# KiCad board pcb.kicad_pcb (continued)
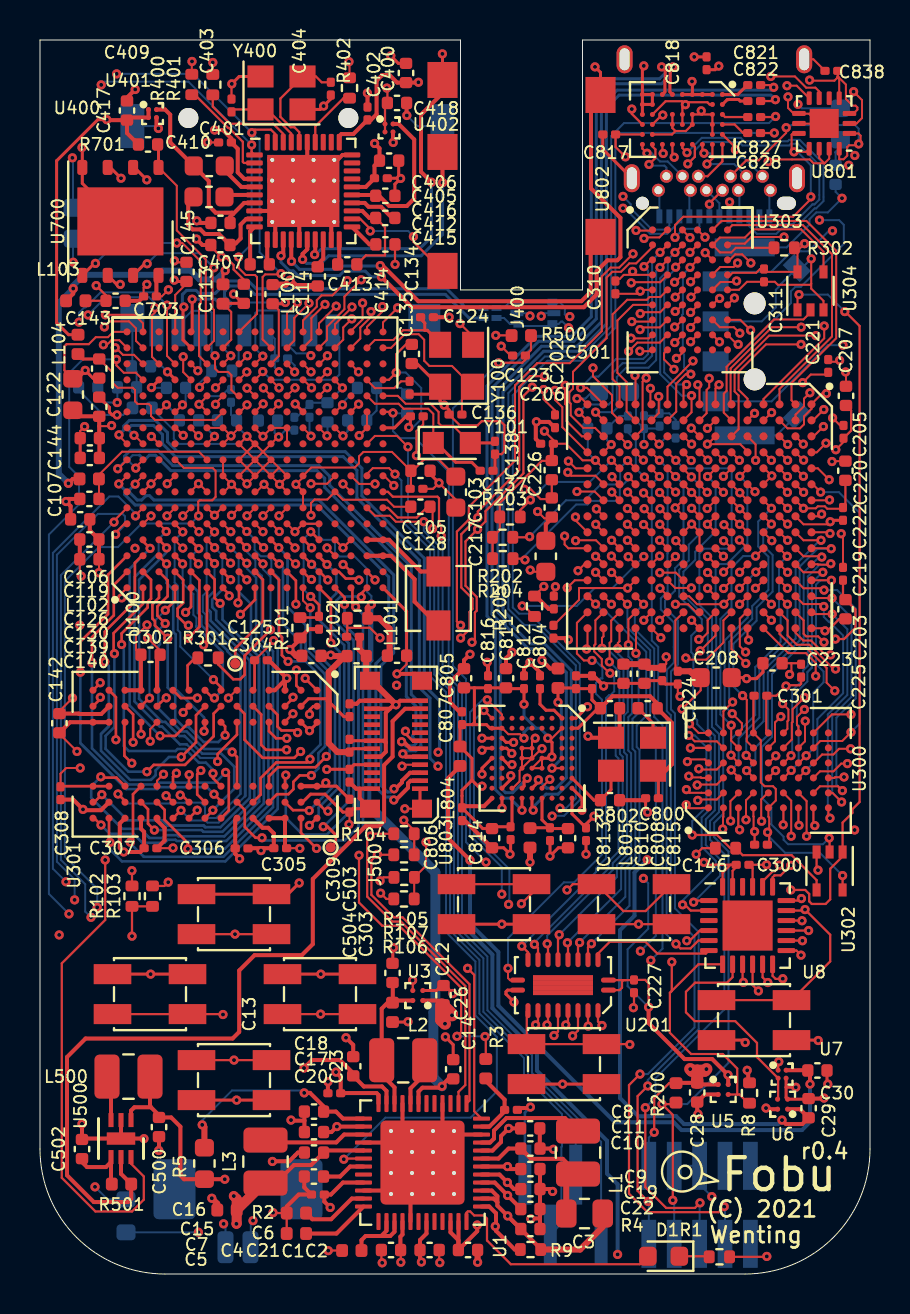
[diagram p0: board, top side]
## Footprints (pads in the part's own frame, mm; a bottom-side part is the same pattern mirrored in y, then rotated) (continued)
C_0201_0603Metric
  rrect 0.318x0.36 smd: (-0.345,0) (0.345,0)
  rrect 0.46x0.4 smd: 1(-0.32,0) 2(0.32,0)
C_0402_1005Metric
  rrect 0.59x0.64 smd: 1(-0.485,0) 2(0.485,0)
C_0603_1608Metric
  rrect 0.875x0.95 smd: 1(-0.787,0) 2(0.787,0)
Crystal_SMD_TXC_9HT11-2Pin_2.0x1.2mm_HandSoldering
  rect 1.05x1.1 smd: 1(-0.925,0) 2(0.925,0)
CSP-4_2x2_0.8x0.8mm
  round 0.25 smd: A1(-0.2,0.2) A2(0.2,0.2) B1(-0.2,-0.2) B2(0.2,-0.2)
CSP-4_2x2_1.0x1.0mm
  round 0.254 smd: A1(-0.25,0.25) A2(0.25,0.25) B1(-0.25,-0.25) B2(0.25,-0.25)
D_0603_1608Metric
  rrect 0.875x0.95 smd: 1(-0.787,0) 2(0.787,0)
DFN-6-1EP_2x2mm_P0.5mm_EP0.61x1.42mm
  rect 0.5x0.56 smd: (0,0.355) (0,-0.355)
  rect 0.7x0.25 smd: 1(-0.925,0.5) 2(-0.925,0) 3(-0.925,-0.5) 4(0.925,-0.5) 5(0.925,0) 6(0.925,0.5)
  rect 0.61x1.42 smd: 7(0,0)
DHVQFN-20_EP_4.5x2.5_Pitch0.5mm
  oval 0.75x0.25 smd: 1(-2.275,0.25) 10(2.275,0.25) 11(2.275,-0.25) 20(-2.275,-0.25)
  oval 0.25x0.75 smd: 2(-1.75,1.275) 3(-1.25,1.275) 4(-0.75,1.275) 5(-0.25,1.275) 6(0.25,1.275) 7(0.75,1.275) 8(1.25,1.275) 9(1.75,1.275) 12(1.75,-1.275) 13(1.25,-1.275) 14(0.75,-1.275) 15(0.25,-1.275) 16(-0.25,-1.275) 17(-0.75,-1.275) 18(-1.25,-1.275) 19(-1.75,-1.275)
  rect 0.75x0.25 smd: 21(-1.125,0.375) 21(-1.125,0.125) 21(-1.125,-0.125) 21(-1.125,-0.375) 21(-0.375,0.375) 21(-0.375,0.125) 21(-0.375,-0.125) 21(-0.375,-0.375) 21(0.375,0.375) 21(0.375,0.125) 21(0.375,-0.125) 21(0.375,-0.375) 21(1.125,0.375) 21(1.125,0.125) 21(1.125,-0.125) 21(1.125,-0.375)
HVQFN-24-1EP_4x4mm_P0.5mm_EP2.5x2.5mm
  rrect 1.01x1.01 smd: (-0.625,0.625) (-0.625,-0.625) (0.625,0.625) (0.625,-0.625)
  rrect 0.875x0.25 smd: 1(-1.938,1.25) 2(-1.938,0.75) 3(-1.938,0.25) 4(-1.938,-0.25) 5(-1.938,-0.75) 6(-1.938,-1.25) 13(1.938,-1.25) 14(1.938,-0.75) 15(1.938,-0.25) 16(1.938,0.25) 17(1.938,0.75) 18(1.938,1.25)
  rrect 0.25x0.875 smd: 7(-1.25,-1.938) 8(-0.75,-1.938) 9(-0.25,-1.938) 10(0.25,-1.938) 11(0.75,-1.938) 12(1.25,-1.938) 19(1.25,1.938) 20(0.75,1.938) 21(0.25,1.938) 22(-0.25,1.938) 23(-0.75,1.938) 24(-1.25,1.938)
  rect 2.5x2.5 smd: 25(0,0)
K1-1511SA-02
  round 1.1 hole 1.1 unplated: (-1.9,1) (1.9,1)
  rect 1x1.3 smd: 1(3,-0.95) 2(-3,-0.95) C(1,-0.95) T(-1,-0.95)
  rect 0.9x3 smd: MP(-4.7,0.5) MP(4.7,0.5)
  rect 1.2x0.8 smd rot 135: MP(-3.68,3.11)
  rect 1.2x0.8 smd rot 45: MP(3.67,3.11)
L_0402_1005Metric
  rrect 0.59x0.64 smd: 1(-0.485,0) 2(0.485,0)
L_0603_1608Metric
  rrect 0.875x0.95 smd: 1(-0.787,0) 2(0.787,0)
L_1008_2520Metric
  rrect 1.25x2.2 smd: 1(-1.075,0) 2(1.075,0)
L_CommonModeChoke_Panasonic_EXC14CE
  rrect 0.3x0.5 smd: 1(-0.25,0.325) 2(0.25,0.325) 3(0.25,-0.325) 4(-0.25,-0.325)
L_Vishay_IHLP-1212
  rect 1.5x1.2 smd: 1(-1.35,0) 2(1.35,0)
Molex_PicoBlade_53261-0271_1x02-1MP_P1.25mm_Horizontal
  rrect 0.8x1.6 smd: 1(-0.625,2.4) 2(0.625,2.4)
  rrect 2.1x3 smd: MP(-3.175,-0.5) MP(3.175,-0.5)
Oscillator_SMD_Abracon_ASE-4Pin_3.2x2.5mm
  rect 1.3x1.1 smd: 1(-1.05,-0.825) 2(1.05,-0.825) 3(1.05,0.825) 4(-1.05,0.825)
PinHeader_1x04_P1.27mm_Vertical_SMD_Pin1Left
  rect 3x0.65 smd: 1(-1.5,1.905) 2(1.5,0.635) 3(-1.5,-0.635) 4(1.5,-1.905)
PinHeader_2x05_P1.27mm_Vertical_SMD
  rect 2.4x0.74 smd: 1(-1.95,2.54) 2(1.95,2.54) 3(-1.95,1.27) 4(1.95,1.27) 5(-1.95,0) 6(1.95,0) 7(-1.95,-1.27) 8(1.95,-1.27) 9(-1.95,-2.54) 10(1.95,-2.54)
PJ-327E
  rect 1.8x1.5 smd: R(-0.7,-3.95) S(-4.3,-3.95) S(-3.55,3.95) T(3.55,3.95) TN(5.25,-3.95)
QFN-40-1EP_5x5mm_P0.4mm_EP3.6x3.6mm_ThermalVias
  custom 0.93x0.93 smd: (-1.033,1.033) (-1.033,0) (-1.033,-1.033) (0,1.033) (0,0) (0,-1.033) (1.033,1.033) (1.033,0) (1.033,-1.033)
  rrect 0.825x0.25 smd: 1(-2.438,1.8) 2(-2.438,1.4) 3(-2.438,1) 4(-2.438,0.6) 5(-2.438,0.2) 6(-2.438,-0.2) 7(-2.438,-0.6) 8(-2.438,-1) 9(-2.438,-1.4) 10(-2.438,-1.8) 21(2.438,-1.8) 22(2.438,-1.4) 23(2.438,-1) 24(2.438,-0.6) 25(2.438,-0.2) 26(2.438,0.2) 27(2.438,0.6) 28(2.438,1) 29(2.438,1.4) 30(2.438,1.8)
  rrect 0.25x0.825 smd: 11(-1.8,-2.438) 12(-1.4,-2.438) 13(-1,-2.438) 14(-0.6,-2.438) 15(-0.2,-2.438) 16(0.2,-2.438) 17(0.6,-2.438) 18(1,-2.438) 19(1.4,-2.438) 20(1.8,-2.438) 31(1.8,2.438) 32(1.4,2.438) 33(1,2.438) 34(0.6,2.438) 35(0.2,2.438) 36(-0.2,2.438) 37(-0.6,2.438) 38(-1,2.438) 39(-1.4,2.438) 40(-1.8,2.438)
  round 0.5 hole 0.2: 41(-1.55,1.55) 41(-1.55,0.517) 41(-1.55,-0.517) 41(-1.55,-1.55) 41(-0.517,1.55) 41(-0.517,0.517) 41(-0.517,-0.517) 41(-0.517,-1.55) 41(0.517,1.55) 41(0.517,0.517) 41(0.517,-0.517) 41(0.517,-1.55) 41(1.55,1.55) 41(1.55,0.517) 41(1.55,-0.517) 41(1.55,-1.55)
  rect 3.6x3.6 smd: 41(0,0)
  rect 3.6x3.6 smd far side: 41(0,0)
QFN-48-1EP_6x6mm_P0.4mm_EP4.2x4.2mm_ThermalVias
  custom 0.423x0.423 smd: (-1.837,1.837) (-1.837,-1.837) (1.837,1.837) (1.837,-1.837)
  custom 0.423x0.847 smd: (-1.837,1.05) (-1.837,0) (-1.837,-1.05) (1.837,1.05) (1.837,0) (1.837,-1.05)
  custom 0.847x0.423 smd: (-1.05,1.837) (-1.05,-1.837) (0,1.837) (0,-1.837) (1.05,1.837) (1.05,-1.837)
  rrect 0.847x0.847 smd: (-1.05,1.05) (-1.05,0) (-1.05,-1.05) (0,1.05) (0,0) (0,-1.05) (1.05,1.05) (1.05,0) (1.05,-1.05)
  rrect 0.85x0.2 smd: 1(-2.95,2.2) 2(-2.95,1.8) 3(-2.95,1.4) 4(-2.95,1) 5(-2.95,0.6) 6(-2.95,0.2) 7(-2.95,-0.2) 8(-2.95,-0.6) 9(-2.95,-1) 10(-2.95,-1.4) 11(-2.95,-1.8) 12(-2.95,-2.2) 25(2.95,-2.2) 26(2.95,-1.8) 27(2.95,-1.4) 28(2.95,-1) 29(2.95,-0.6) 30(2.95,-0.2) 31(2.95,0.2) 32(2.95,0.6) 33(2.95,1) 34(2.95,1.4) 35(2.95,1.8) 36(2.95,2.2)
  rrect 0.2x0.85 smd: 13(-2.2,-2.95) 14(-1.8,-2.95) 15(-1.4,-2.95) 16(-1,-2.95) 17(-0.6,-2.95) 18(-0.2,-2.95) 19(0.2,-2.95) 20(0.6,-2.95) 21(1,-2.95) 22(1.4,-2.95) 23(1.8,-2.95) 24(2.2,-2.95) 37(2.2,2.95) 38(1.8,2.95) 39(1.4,2.95) 40(1,2.95) 41(0.6,2.95) 42(0.2,2.95) 43(-0.2,2.95) 44(-0.6,2.95) 45(-1,2.95) 46(-1.4,2.95) 47(-1.8,2.95) 48(-2.2,2.95)
  round 0.5 hole 0.2: 49(-1.575,1.575) 49(-1.575,0.525) 49(-1.575,-0.525) 49(-1.575,-1.575) 49(-0.525,1.575) 49(-0.525,0.525) 49(-0.525,-0.525) 49(-0.525,-1.575) 49(0.525,1.575) 49(0.525,0.525) 49(0.525,-0.525) 49(0.525,-1.575) 49(1.575,1.575) 49(1.575,0.525) 49(1.575,-0.525) 49(1.575,-1.575)
  rrect 3.65x3.65 smd far side: 49(0,0)
  rrect 4.2x4.2 smd: 49(0,0)
R_0402_1005Metric
  rrect 0.59x0.64 smd: 1(-0.485,0) 2(0.485,0)
R_0402_1005Metric#2
  rrect 0.54x0.64 smd: 1(-0.51,0) 2(0.51,0)
R_0603_1608Metric
  rrect 0.875x0.95 smd: 1(-0.787,0) 2(0.787,0)
R_0603_1608Metric#2
  rrect 0.8x0.95 smd: 1(-0.825,0) 2(0.825,0)
R_0805_2012Metric
  rrect 1.025x1.4 smd: 1(-0.912,0) 2(0.912,0)
SOT-353_SC-70-5
  rect 0.65x0.4 smd: 1(-0.95,0.65) 2(-0.95,0) 3(-0.95,-0.65) 4(0.95,-0.65) 5(0.95,0.65)
SOT-666
  rect 0.5x0.375 smd: 1(-0.85,0.537) 3(-0.85,-0.537) 4(0.85,-0.537) 6(0.85,0.537)
  rect 0.65x0.3 smd: 2(-0.925,0) 5(0.925,0)
SW_SPST_K21177SR
  rect 1.875x1 smd: 1(-1.875,1) 1(1.875,1) 2(-1.875,-1) 2(1.875,-1)
TestPoint_Pad_D0.5mm
  round 0.5 smd: 1(0,0)
TFC-WPAPR-08
  round 1 hole 1 unplated: (3.251,-4.953) (3.251,3.048)
  rect 1.598x0.699 smd: 1(-7.374,2.248) 2(-7.374,1.148) 3(-7.374,0.048) 4(-7.374,-1.049) 5(-7.374,-2.149) 6(-7.374,-3.249) 7(-7.374,-4.348) 8(-7.374,-5.448) 9(-7.374,-6.548)
  rect 1.4x1.199 smd: 10(-6.749,-7.75)
  rect 1.4x1.598 smd: 11(-6.749,6.848)
  rect 2.2x1.199 smd: 12(2.85,-7.75) 13(2.85,7.75)
USB_C_Receptacle_Amphenol_12401548E4-2A
  round 0.65 hole 0.65 unplated: (-3.6,4.36)
  oval 0.95x0.65 hole 0.95x0.65 unplated: (3.6,4.36)
  rect 0.3x0.7 smd: A1(-2.75,5.02) A2(-2.25,5.02) A3(-1.75,5.02) A4(-1.25,5.02) A5(-0.75,5.02) A6(-0.25,5.02) A7(0.25,5.02) A8(0.75,5.02) A9(1.25,5.02) A10(1.75,5.02) A11(2.25,5.02) A12(2.75,5.02)
  round 0.65 hole 0.4: B1(2.8,3.71) B2(2.4,3.01) B3(1.6,3.01) B4(1.2,3.71) B5(0.8,3.01) B6(0.4,3.71) B7(-0.4,3.71) B8(-0.8,3.01) B9(-1.2,3.71) B10(-1.6,3.01) B11(-2.4,3.01) B12(-2.8,3.71)
  oval 0.8x1.4 hole 0.5x1.1: S1(-4.49,-2.84) S1(-4.13,3.11) S1(4.13,3.11) S1(4.49,-2.84)
WQFN-14-1EP_2.5x2.5mm_P0.5mm_EP1.45x1.45mm
  rrect 0.58x0.58 smd: (-0.36,0.36) (-0.36,-0.36) (0.36,0.36) (0.36,-0.36)
  rrect 0.675x0.25 smd: 1(-1.262,0.5) 2(-1.262,0) 3(-1.262,-0.5) 8(1.262,-0.5) 9(1.262,0) 10(1.262,0.5)
  rrect 0.25x0.675 smd: 4(-0.75,-1.262) 5(-0.25,-1.262) 6(0.25,-1.262) 7(0.75,-1.262) 11(0.75,1.262) 12(0.25,1.262) 13(-0.25,1.262) 14(-0.75,1.262)
  rect 1.45x1.45 smd: 15(0,0)
WSON-8-1EP_6x5mm_P1.27mm_EP3.4x4.3mm
  rrect 1.37x1.73 smd: (-0.85,1.075) (-0.85,-1.075) (0.85,1.075) (0.85,-1.075)
  rrect 0.75x0.5 smd: 1(-2.7,1.905) 2(-2.7,0.635) 3(-2.7,-0.635) 4(-2.7,-1.905) 5(2.7,-1.905) 6(2.7,-0.635) 7(2.7,0.635) 8(2.7,1.905)
  rect 3.4x4.3 smd: 9(0,0)

## Nets
+1V0_FPGA: C26.2 C209.2 C210.2 C211.2 C212.2 C213.2 C214.2 C215.2 C216.2 C217.2 U3.A1 U200.E8 U200.E10 U200.F7 U200.G6 U200.G10 U200.H7 U200.J6 U200.J10 U200.K7 U200.K9
+1V0A: C116.1 C127.1 U100.F10 U100.N11
+1V2_DP: C30.2 L804.1 U7.A2
+1V8: C15.2 C16.2 C125.1 C128.1 C130.1 C131.1 C139.1 C140.1 C141.1 C142.1 C146.1 C227.1 C302.1 C303.1 C304.1 C305.1 C306.1 C307.1 C308.1 C309.1 C503.1 J500.b6 L3.2 R102.1 R103.1 U1.17 U5.A2 U6.A2 U7.A1 U8.21 U100.D14 U100.E7 U100.F6 U100.F7 U100.G6 U100.H6 U100.J6 U100.M12 U100.P7 U201.1 U201.20 U301.A7 U301.B2 U301.B7 U301.C9 U301.D9 U301.E1 U301.F9 U301.L1 U301.L7 U301.M9 U301.N9 U301.P2 U301.P7 U301.R7
+1V8_DP: C29.2 L803.1 L805.1 R106.1 R107.1 U6.A1
+1V8_FPGA: C28.2 C200.2 C201.2 C202.2 C203.2 C204.2 C205.2 C206.2 C207.2 C208.2 C218.2 C219.2 C220.2 C221.2 C222.2 C223.2 C224.2 C225.2 C226.2 J200.1 R200.1 R202.1 R203.1 R204.1 U5.A1 U200.B7 U200.C3 U200.C11 U200.E6 U200.F9 U200.F12 U200.G2 U200.J14 U200.L3 U200.L6 U200.L8 U200.M12 U200.P5 U200.P9
+1V8A: C103.1 C104.1 C105.1 C400.1 C401.1 C402.1 L100.1 L102.2 L103.2 U100.M6 U100.M7 U100.M8 U400.4 U400.31
+3.3VA: C23.2 C405.1 C406.1 U1.11 U400.26
+3V3: C20.2 C109.1 C129.1 C132.1 C417.1 C418.1 C504.1 C701.1 C702.1 C703.2 C817.1 C818.1 C838.1 CARD700.4 J500.b4 L104.2 R104.1 R105.1 R701.1 U1.12 U100.D12 U100.G13 U100.J13 U100.R12 U401.A1 U401.B1 U402.A1 U402.B1 U700.8 U801.3 U801.4 U801.12 U801.13 U802.B2 U802.E3 U802.E4 U802.H3 U802.J5
/mcu/VDD_SOC: C106.1 C107.1 C108.1 C117.1 C118.1 C119.1 C120.1 C121.1 C122.1 U100.H8 U100.H9 U100.H10 U100.J8 U100.J9 U100.J10 U100.K8 U100.K9 U100.K10 U100.L7 U100.L8
/power/VINT: C4.1 U1.26 U1.27
GND: BT1.1 C1.2 C2.2 C3.2 C4.2 C5.2 C6.2 C7.2 C8.2 C9.1 C10.1 C11.1 C12.1 C13.1 C14.1 C15.1 C16.1 C17.1 C18.1 C19.1 C20.1 C21.1 C22.1 C23.1 C26.1 C28.1 C29.1 C30.1 C100.2 C101.2 C102.2 C103.2 C104.2 C105.2 C106.2 C107.2 C108.2 C109.2 C110.2 C111.2 C113.2 C114.2 C115.2 C116.2 C117.2 C118.2 C119.2 C120.2 C121.2 C122.2 C123.2 C124.2 C125.2 C126.2 C127.2 C128.2 C129.2 C130.2 C131.2 C132.2 C133.2 C134.2 C135.2 C136.2 C137.1 C138.1 C139.2 C140.2 C141.2 C142.2 C143.2 C144.2 C145.2 C146.2 C200.1 C201.1 C202.1 C203.1 C204.1 C205.1 C206.1 C207.1 C208.1 C209.1 C210.1 C211.1 C212.1 C213.1 C214.1 C215.1 C216.1 C217.1 C218.1 C219.1 C220.1 C221.1 C222.1 C223.1 C224.1 C225.1 C226.1 C227.2 C300.2 C301.2 C302.2 C303.2 C304.2 C305.2 C306.2 C307.2 C308.2 C309.2 C310.2 C311.2 C400.2 C401.2 C402.2 C403.2 C404.2 C405.2 C406.2 C407.2 C408.2 C414.2 C415.2 C416.2 C417.2 C418.2 C500.2 C501.2 C502.2 C503.2 C504.2 C701.2 C702.2 C703.1 C800.1 C801.2 C802.2 C803.2 C804.1 C805.2 C806.2 C807.2 C808.2 C810.2 C811.2 C812.2 C813.2 C814.2 C815.2 C816.2 C817.2 C818.2 C837.2 C838.2 CARD700.6 CARD700.10 CARD700.11 CARD700.12 CARD700.13 J101.4 J200.3 J200.5 J400.S J500.a1 J500.a4 J500.a7 J500.a12 J500.b1 J500.b5 J500.b7 J500.b11 J500.b12 J500.MP J800.A1 J800.A12 J800.B1 J800.B12 J800.S1 R1.2 R2.2 R8.1 R101.2 R205.1 R802.2 SW600.C SW600.MP SW_A1.2 SW_B1.2 SW_DOWN1.2 SW_LEFT1.2 SW_RIGHT1.2 SW_SELECT1.2 SW_START1.2 SW_UP1.2 TH1.2 U1.4 U1.9 U1.16 U1.22 U1.29 U1.46 U1.49 U3.B1 U5.B1 U6.B1 U7.B2 U8.9 U8.18 U8.23 U8.24 U100.A1 U100.A17 U100.B7 U100.C8 U100.C10 U100.C12 U100.C14 U100.D4 U100.F11 U100.F12 U100.F13 U100.G3 U100.G7 U100.G8 U100.G9 U100.G10 U100.G11 U100.G15 U100.H7 U100.H11 U100.J7 U100.J11 U100.K6 U100.K7 U100.K11 U100.L3 U100.L6 U100.L10 U100.L11 U100.L15 U100.P4 U100.P14 U100.R4 U100.R7 U100.T11 U100.T12 U100.U1 U100.U6 U100.U17 U200.A1 U200.A15 U200.B8 U200.C2 U200.C12 U200.D5 U200.D6 U200.D14 U200.E4 U200.E7 U200.E9 U200.F6 U200.F8 U200.F10 U200.F13 U200.G3 U200.G7 U200.G8 U200.G9 U200.H5 U200.H6 U200.H8 U200.H9 U200.H10 U200.J7 U200.J8 U200.J9 U200.J13 U200.K6 U200.K8 U200.K10 U200.L2 U200.L7 U200.L9 U200.M11 U200.P4 U200.P8 U200.P13 U200.R1 U200.R15 U201.10 U300.D1 U300.E6 U301.A3 U301.B3 U301.B8 U301.C1 U301.D1 U301.E9 U301.F1 U301.L3 U301.L9 U301.M1 U301.N1 U301.P3 U301.P8 U301.R3 U302.3 U303.D1 U303.E6 U304.3 U400.8 U400.12 U400.13 U400.15 U400.17 U400.19 U400.30 U400.35 U400.41 U401.B2 U402.B2 U500.2 U500.7 U700.4 U700.9 U800.2 U801.8 U801.9 U801.15 U802.B1 U802.B3 U802.B4 U802.B5 U802.C1 U802.D1 U802.D3 U802.D4 U802.E1 U802.F3 U802.F4 U802.H1 U802.H2 U802.H5 U802.J1 U802.J2 U802.J3 U803.A1 U803.A8 U803.D8 U803.E4 U803.E5 U803.F4 U803.F5 U803.F6 U803.G8 X800.2 Y100.2 Y100.4 Y400.2 Y400.4
VBUS: C1.1 C837.1 L802.1 U1.31
VBUS_IN: C145.1 J800.A4 J800.A9 J800.B4 J800.B9 L802.2 U100.D17 U800.5 U801.2
+BATT: BT1.2 C3.1 C9.2 R4.2 R9.2 U1.38 U1.39 U1.42
+RAM: C19.2 C300.1 C301.1 C310.1 C311.1 R300.1 R302.1 U1.41 U300.D6 U300.E1 U302.5 U303.D6 U303.E1 U304.5
+RTC: C21.2 C133.1 U1.28 U100.U12
/fpga/FPGA_TCK: J200.4 R200.2 U200.E5
/fpga/FPGA_TDI: J200.8 U200.L4
/fpga/FPGA_TDO: J200.6 U200.K4
/fpga/FPGA_TMS: J200.2 U200.K5
/fpga/K_A: U200.P14 U201.12
/fpga/K_B: U200.R14 U201.11
/fpga/K_DOWN: U200.R13 U201.18
/fpga/K_LEFT: U200.M15 U201.17
/fpga/K_RIGHT: U200.M14 U201.16
/fpga/K_SELECT: U200.N14 U201.13
/fpga/K_START: U200.P15 U201.14
/fpga/K_UP: U200.N15 U201.15
/lcd/LEDA: J500.a11 R501.2 U500.5
/mcu/JTAG_TCK: J101.2 U100.T6
/mcu/JTAG_TMS: J101.1 U100.U7
/mcu/RESET: J101.3 U100.T10
/power/TS: R9.1 TH1.1 U1.37
/usb/DP_AUXN: C828.1 U803.H9
/usb/DP_AUXP: C827.1 U803.H8
/usb/DP_N0: U802.G1 U803.F9
/usb/DP_N1: C822.1 U803.E9
/usb/DP_P0: U802.F1 U803.F8
/usb/DP_P1: C821.1 U803.E8
/usb/DP_VCC: C805.1 C806.1 C807.1 C811.1 C812.1 C813.1 C814.1 C815.1 C816.1 L804.2 U803.A9 U803.B2 U803.D5 U803.D6 U803.E6 U803.G9 U803.H2 U803.J2 U803.J9
/usb/DP_VCCIO: C800.2 C801.1 C802.1 C803.1 L803.2 R800.1 U803.A2 U803.B6 X800.4
/usb/DP_VPLL: C808.1 C810.1 L805.2 U803.D9
/usb/TYPEC_DN: J800.A7 J800.B7 L800.4 U800.3 U800.4
/usb/TYPEC_DP: J800.A6 J800.B6 L800.3 U800.1 U800.6
/usb/TYPEC_RX1N: J800.B10 U802.J6
/usb/TYPEC_RX1P: J800.B11 U802.H6
/usb/TYPEC_RX2N: J800.A10 U802.E6
/usb/TYPEC_RX2P: J800.A11 U802.D6
/usb/TYPEC_SBU1: J800.A8 U802.A5
/usb/TYPEC_SBU2: J800.B8 U802.A6
/usb/TYPEC_TX1N: J800.A3 U802.F6
/usb/TYPEC_TX1P: J800.A2 U802.G6
/usb/TYPEC_TX2N: J800.B3 U802.B6
/usb/TYPEC_TX2P: J800.B2 U802.C6
CCM_CLKO1: U100.K1
CODEC_RST: U400.28
CRAMA_A0: U200.E13 U300.A3
CRAMA_A1: U200.G12 U300.A4
CRAMA_A2: U200.G13 U300.A5
CRAMA_A3: U200.E12 U300.B3
CRAMA_A4: U200.F11 U300.B4
CRAMA_A5: U200.C13 U300.C3
CRAMA_A6: U200.C10 U300.C4
CRAMA_A7: U200.B9 U300.D4
CRAMA_A8: U200.B12 U300.H2
CRAMA_A9: U200.A8 U300.H3
CRAMA_A10: U200.A7 U300.H4
CRAMA_A11: U200.A6 U300.H5
CRAMA_A12: U200.B13 U300.G3
CRAMA_A13: U200.A12 U300.G4
CRAMA_A14: U200.B11 U300.F3
CRAMA_A15: U200.A11 U300.F4
CRAMA_A16: U200.D9 U300.E4
CRAMA_A17: U200.A10 U300.D3
CRAMA_A18: U200.C15 U300.H1
CRAMA_A19: U200.C14 U300.G2
CRAMA_A20: U200.A5 U300.H6
CRAMA_A21: U200.D13 U300.E3
CRAMA_ADVN: U200.A9 U300.J3
CRAMA_CEN: U200.B10 U302.2
CRAMA_CLK: U200.A13 U300.J2
CRAMA_CRE: U200.G11 U300.A6
CRAMA_DQ0: U200.D7 U300.B6
CRAMA_DQ1: U200.D10 U300.C5
CRAMA_DQ2: U200.D11 U300.C6
CRAMA_DQ3: U200.D8 U300.D5
CRAMA_DQ4: U200.C9 U300.E5
CRAMA_DQ5: U200.B6 U300.F5
CRAMA_DQ6: U200.C8 U300.F6
CRAMA_DQ7: U200.C6 U300.G6
CRAMA_DQ8: U200.F14 U300.B1
CRAMA_DQ9: U200.F15 U300.C1
CRAMA_DQ10: U200.G14 U300.C2
CRAMA_DQ11: U200.E14 U300.D2
CRAMA_DQ12: U200.E15 U300.E2
CRAMA_DQ13: U200.B14 U300.F2
CRAMA_DQ14: U200.D15 U300.F1
CRAMA_DQ15: U200.B15 U300.G1
CRAMA_LBN: U200.G15 U300.A1
CRAMA_OEN: U200.E11 U300.A2
CRAMA_UBN: U200.D12 U300.B2
CRAMA_WAIT: U200.A14 U300.J1
CRAMA_WEN: U200.C7 U300.G5
CRAMB_A0: U200.D1 U303.A3
CRAMB_A1: U200.E1 U303.A4
CRAMB_A2: U200.B1 U303.A5
CRAMB_A3: U200.J2 U303.B3
CRAMB_A4: U200.F1 U303.B4
CRAMB_A5: U200.J1 U303.C3
CRAMB_A6: U200.K2 U303.C4
CRAMB_A7: U200.G1 U303.D4
CRAMB_A8: U200.H3 U303.H2
CRAMB_A9: U200.F4 U303.H3
CRAMB_A10: U200.E3 U303.H4
CRAMB_A11: U200.E2 U303.H5
CRAMB_A12: U200.M3 U303.G3
CRAMB_A13: U200.L1 U303.G4
CRAMB_A14: U200.N3 U303.F3
CRAMB_A15: U200.M1 U303.F4
CRAMB_A16: U200.H1 U303.E4
CRAMB_A17: U200.H2 U303.D3
CRAMB_A18: U200.H4 U303.H1
CRAMB_A19: U200.J3 U303.G2
CRAMB_A20: U200.D2 U303.H6
CRAMB_A21: U200.K1 U303.E3
CRAMB_ADVN: U200.D4 U303.J3
CRAMB_CEN: U200.F2 U304.2
CRAMB_CLK: U200.C5 U303.J2
CRAMB_CRE: U200.C1 U303.A6
CRAMB_DQ0: U200.F3 U303.B6
CRAMB_DQ1: U200.A2 U303.C5
CRAMB_DQ2: U200.B2 U303.C6
CRAMB_DQ3: U200.A3 U303.D5
CRAMB_DQ4: U200.A4 U303.E5
CRAMB_DQ5: U200.B4 U303.F5
CRAMB_DQ6: U200.B3 U303.F6
CRAMB_DQ7: U200.B5 U303.G6
CRAMB_DQ8: U200.P3 U303.B1
CRAMB_DQ9: U200.P1 U303.C1
CRAMB_DQ10: U200.P2 U303.C2
CRAMB_DQ11: U200.N2 U303.D2
CRAMB_DQ12: U200.N1 U303.E2
CRAMB_DQ13: U200.M4 U303.F2
CRAMB_DQ14: U200.M2 U303.F1
CRAMB_DQ15: U200.J4 U303.G1
CRAMB_LBN: U200.R4 U303.A1
CRAMB_OEN: U200.R3 U303.A2
CRAMB_UBN: U200.R2 U303.B2
CRAMB_WAIT: U200.G4 U303.J1
CRAMB_WEN: U200.C4 U303.G5
CSI_D0: U100.L13 U200.P11
CSI_D1: U100.M15 U200.R9
CSI_D2: U100.J12 U200.R12
CSI_D3: U100.K12 U200.R11
CSI_D4: U100.K14 U200.P12
CSI_D5: U100.K13 U200.N12
CSI_D6: U100.L16 U200.M9
CSI_D7: U100.M16 U200.P7
CSI_D8: U100.N15 U200.M10
CSI_D9: U100.N17 U200.P6
CSI_D10: U100.P16 U200.M8
CSI_D11: U100.R17 U200.N7
CSI_D12: U100.R16 U200.M7
CSI_D13: U100.R15 U200.P10
CSI_D14: U100.T17 U200.N6
CSI_D15: U100.N13 U200.N11
CSI_HSYNC: U100.M14 U200.R10
CSI_PCLK: U100.P17 U200.R5
CSI_VSYNC: U100.N14 U200.N10
DP_PWR_EN: U6.B2 U7.B1 U8.8
EXTEN: U1.20
FPGA_DONE: U8.1 U200.G5
FPGA_INIT: U8.5 U200.L5
FPGA_KEY_EN: U8.6 U201.19
FPGA_PWR_EN: R8.2 U3.B2 U5.B2 U8.7
FPGA_RAM_EN: U8.4 U302.1 U304.1
FPGA_RST: U8.2 U200.J5
FSPI_1A_CS: R701.2 U100.F17 U700.1
FSPI_1A_D0: U100.F15 U700.5
FSPI_1A_D1: U100.H15 U700.2
FSPI_1A_D2: U100.H14 U700.3
FSPI_1A_D3: U100.F16 U700.7
FSPI_1A_SCK: U100.G14 U700.6
FSPI_2A_CS: U100.B16 U200.L11
FSPI_2A_D0: U100.C15 U200.H14
FSPI_2A_D1: U100.B17 U200.H15
FSPI_2A_D2: U100.B15 U200.J12
FSPI_2A_D3: U100.A16 U200.K13
FSPI_2A_SCK: U100.D15 U200.F5 U200.K12
I2C1_SCL: R102.2 U8.19 U100.K16 U400.39
I2C1_SDA: R103.2 U8.20 U100.H17 U400.1
I2C3_SCL: R104.2 U1.2 U100.D11 U801.6 U802.H4
I2C3_SDA: R105.2 U1.1 U100.E11 U801.7 U802.J4
I2C4_SCL: R107.2 U100.B6 U803.H1
I2C4_SDA: R106.2 U100.A5 U803.J1
IPSOUT: C2.1 C5.1 C11.2 C14.2 C17.2 C22.2 C100.1 C500.1 L500.1 R5.1 R100.1 U1.7 U1.14 U1.21 U1.34 U1.35 U1.40 U1.44 U100.L5 U100.M5 U100.N5 U500.1
KEY_A: SW_A1.1 U8.17 U201.8
KEY_B: SW_B1.1 U8.10 U201.9
KEY_CCW: SW600.1 U100.N16
KEY_CW: SW600.2 U100.M17
KEY_DOWN: SW_DOWN1.1 U8.11 U201.2
KEY_LEFT: SW_LEFT1.1 U8.12 U201.3
KEY_RIGHT: SW_RIGHT1.1 U8.13 U201.4
KEY_SELECT: SW_SELECT1.1 U8.16 U201.7
KEY_START: SW_START1.1 U8.15 U201.6
KEY_UP: SW_UP1.1 U8.14 U201.5
LCD_BL_PWM: R500.2 U100.L17
LCD_RST: J500.b8
MIPI_CKN: J500.a5 U100.A9 U803.J5
MIPI_CKP: J500.a6 U100.B9 U803.H5
MIPI_D0N: J500.a2 U100.A8 U803.J3
MIPI_D0P: J500.a3 U100.B8 U803.H3
MIPI_D1N: U100.A10 U803.J4
MIPI_D1P: U100.B10 U803.H4
PEK: R3.2 SW600.T
PMU_IRQ: U1.48 U100.B14
PWROK: U1.25
SAI1_TX_BCLK: R402.2 U100.B5
SAI1_TX_DATA0: R400.2 U100.D6
SAI1_TX_SYNC: R401.2 U100.D8
SAI4_RX_BCLK: U100.R8 U200.K14
SAI4_RX_DATA: U100.P8 U200.L15
SAI4_RX_SYNC: U100.U8 U200.L14
SD_CLK: R700.2 U100.F14
SD_CMD: CARD700.3 U100.E14
SD_D0: CARD700.7 U100.E15
SD_D1: CARD700.8 U100.H13
SD_D2: CARD700.1 U100.J14
SD_D3: CARD700.2 U100.J15
SDRAM_A0: U100.A3 U301.G8
SDRAM_A1: U100.A2 U301.G9
SDRAM_A2: U100.C2 U301.F7
SDRAM_A3: U100.C5 U301.F3
SDRAM_A4: U100.D5 U301.G1
SDRAM_A5: U100.B1 U301.G2
SDRAM_A6: U100.C1 U301.G3
SDRAM_A7: U100.D3 U301.H1
SDRAM_A8: U100.B3 U301.H2
SDRAM_A9: U100.B4 U301.J3
SDRAM_A10: U100.B2 U301.G7
SDRAM_A11: U100.C4 U301.H9
SDRAM_A12: U100.C3 U301.H3
SDRAM_BA0: U100.G2 U301.J7
SDRAM_BA1: U100.H2 U301.H8
SDRAM_CAS: U100.J5 U301.K7
SDRAM_CKE: U100.G5 U301.J2
SDRAM_CLK: R301.1 U100.J3
SDRAM_CS0: U100.E6 U301.J8
SDRAM_D0: U100.F3 U301.R8
SDRAM_D1: U100.F2 U301.N7
SDRAM_D2: U100.G4 U301.R9
SDRAM_D3: U100.E4 U301.N8
SDRAM_D4: U100.H5 U301.P9
SDRAM_D5: U100.F4 U301.M8
SDRAM_D6: U100.H4 U301.M7
SDRAM_D7: U100.H3 U301.L8
SDRAM_D8: U100.E3 U301.L2
SDRAM_D9: U100.D2 U301.M3
SDRAM_D10: U100.D1 U301.M2
SDRAM_D11: U100.E2 U301.P1
SDRAM_D12: U100.E1 U301.N2
SDRAM_D13: U100.F1 U301.R1
SDRAM_D14: U100.G1 U301.N3
SDRAM_D15: U100.H1 U301.R2
SDRAM_D16: U100.K2 U301.E8
SDRAM_D17: U100.K4 U301.D7
SDRAM_D18: U100.K3 U301.D8
SDRAM_D19: U100.R1 U301.B9
SDRAM_D20: U100.M1 U301.C8
SDRAM_D21: U100.N1 U301.A9
SDRAM_D22: U100.T1 U301.C7
SDRAM_D23: U100.M3 U301.A8
SDRAM_D24: U100.N2 U301.A2
SDRAM_D25: U100.R2 U301.C3
SDRAM_D26: U100.L4 U301.A1
SDRAM_D27: U100.M2 U301.C2
SDRAM_D28: U100.K5 U301.B1
SDRAM_D29: U100.M4 U301.D2
SDRAM_D30: U100.L2 U301.D3
SDRAM_D31: U100.P2 U301.E2
SDRAM_DM0: U100.F5 U301.K9
SDRAM_DM1: U100.J1 U301.K1
SDRAM_DM2: U100.P1 U301.F8
SDRAM_DM3: U100.T2 U301.F2
SDRAM_RAS: U100.J4 U301.J9
SDRAM_WE: U100.E5 U301.K8
UART2_RXD: U100.A6 U200.M13
UART2_TXD: U100.D9 U200.N13
USB_DM: L800.1 U100.E16
USB_DP: L800.2 U100.E17
WAKEUP: U1.18 U100.T8
Net-(C6-Pad1): C6.1 U1.24
Net-(C7-Pad1): C7.1 U1.19
Net-(C8-Pad1): C8.1 R3.1 U1.47
Net-(C10-Pad2): C10.2 L1.2 R4.1 U1.43
Net-(C12-Pad2): C12.2 C13.2 L2.2 U1.10 U3.A2
Net-(C18-Pad2): C18.2 R5.2 U1.13
Net-(C101-Pad1): C101.1 R100.2 U100.P3
Net-(C102-Pad1): C102.1 R101.1 U100.N4
Net-(C110-Pad1): C110.1 U100.P12
Net-(C111-Pad1): C111.1 U100.P11
Net-(C113-Pad1): C113.1 C114.1 C115.1 L100.2 U100.G16 U100.K15 U100.M11
Net-(C123-Pad1): C123.1 U100.U16 Y100.1
Net-(C124-Pad1): C124.1 U100.T16 Y100.3
Net-(C126-Pad1): C126.1 L102.1 U100.F9
Net-(C134-Pad1): C134.1 C136.1 U100.U11 U100.U14
Net-(C135-Pad1): C135.1 U100.T14
Net-(C137-Pad2): C137.2 U100.T13 Y101.1
Net-(C138-Pad2): C138.2 U100.U13 Y101.2
Net-(C143-Pad1): C143.1 L103.1 U100.H12
Net-(C144-Pad1): C144.1 L104.1 U100.G12
Net-(C403-Pad1): C403.1 U400.37 Y400.1
Net-(C404-Pad1): C404.1 U400.36 Y400.3
Net-(C407-Pad1): C407.1 C410.1 U400.9
Net-(C408-Pad1): C408.1 C409.1 U400.7 U401.A2
Net-(C409-Pad2): C409.2 U400.5
Net-(C410-Pad2): C410.2 U400.6
Net-(C411-Pad1): C411.1 U400.10
Net-(C411-Pad2): C411.2 U400.11
Net-(C412-Pad1): C412.1 C413.1 U400.23
Net-(C412-Pad2): C412.2 U400.24
Net-(C413-Pad2): C413.2 U400.20
Net-(C414-Pad1): C414.1 U400.18
Net-(C415-Pad1): C415.1 U400.21
Net-(C416-Pad1): C416.1 U400.25 U402.A2
Net-(C501-Pad1): C501.1 R500.1 U500.6
Net-(C502-Pad1): C502.1 R501.1 U500.4
Net-(C821-Pad2): C821.2 U802.A1
Net-(C822-Pad2): C822.2 U802.A2
Net-(C827-Pad2): C827.2 U802.A3
Net-(C828-Pad2): C828.2 U802.A4
Net-(CARD700-Pad5): CARD700.5 R700.1
Net-(D1-Pad1): D1.1 R1.1
Net-(D1-Pad2): D1.2 U1.36
Net-(J400-PadR): J400.R U400.16
Net-(J400-PadT): J400.T U400.14
Net-(J400-PadTN): J400.TN U400.22
Net-(J800-PadA5): J800.A5 U801.10 U801.11
Net-(J800-PadB5): J800.B5 U801.1 U801.14
Net-(L1-Pad1): L1.1 U1.45
Net-(L2-Pad1): L2.1 U1.8
Net-(L3-Pad1): L3.1 U1.15
Net-(L101-Pad1): L101.1 U100.T3 U100.U3
Net-(L101-Pad2): L101.2 U100.T4 U100.U4
Net-(L500-Pad2): L500.2 U500.3
Net-(R2-Pad1): R2.1 U1.23
Net-(R202-Pad2): R202.2 U200.M5
Net-(R203-Pad2): R203.2 U200.N5
Net-(R204-Pad2): R204.2 U200.M6
Net-(R205-Pad2): R205.2 U200.K11
Net-(R300-Pad2): R300.2 U300.B5 U302.4
Net-(R301-Pad2): R301.2 U301.J1
Net-(R302-Pad2): R302.2 U303.B5 U304.4
Net-(R400-Pad1): R400.1 U400.2
Net-(R401-Pad1): R401.1 U400.38
Net-(R402-Pad1): R402.1 U400.34
Net-(R800-Pad2): R800.2 X800.1
Net-(TP100-Pad1): TP100.1 U100.J2
Net-(TP101-Pad1): TP101.1 U100.N3
Net-(U803-PadA7): R802.1 U803.A7 X800.3
Net-(U803-PadB1): C804.2 U803.B1

Pads without a net: BT1 MP; CARD700 9; J200 7 9 10; J500 a8 a9 a10 b2 b3 b9 b10; U1 3 5 6 30 32 33; U8 3 22 25; U100 A4 A7 A11 A12 A13 A14 A15 B11 B12 B13 C6 C7 C9 C11 C13 C16 C17 D7 D10 D13 D16 E8 E9 E10 E12 E13 F8 G17 H16 J16 J17 K17 L1 L9 L12 L14 M9 M10 M13 N6 N7 N8 N9 N10 N12 P5 P6 P9 P10 P13 P15 R3 R5 R6 R9 R10 R11 R13 R14 T5 T7 T9 T15 U2 U5 U9 U10 U15; U200 D3 H11 H12 H13 J11 J15 K3 K15 L10 L12 L13 N4 N8 N9 R6 R7 R8; U201 21; U300 J4 J5 J6; U301 E3 E7 H7 K2 K3; U303 J4 J5 J6; U400 3 27 29 32 33 40; U801 5; U803 A3 A4 A5 A6 B3 B4 B5 B7 B8 B9 C1 C2 C8 C9 D1 D2 E1 E2 F1 F2 G1 G2 H6 H7 J6 J7 J8

## Via types
v1: diameter 0.46, hole 0.2, Top to Bottom, 921 vias

## Routing (per net, layer and track width the routed paths; a pad name or vN(x,y) marks a point on that pad's centre or on a via; arc(x,y) is an arc through that point)
+1V0_FPGA: length 17.5
  Top w0.1: v1(34.17,39.1) 33.78,39.5 U200.G6 ; U200.E8 35,38.28 v1(34.99,38.28) 34.99,38.29 U200.F7 ; U200.K7 31.37,38.7 v1(30.98,39.09) ; U200.E10 35.38,36.31 v1(34.97,36.71) ; U200.G10 33.78,36.3 v1(34.17,35.9) ; v1(30.99,37.5) 31.38,37.11 U200.K9 ; v1(31.31,30.87) 31.31,30.52 C212.2 ; 32.18,36.3 32.17,36.3 v1(31.79,36.68) ; U200.H7 32.97,38.7 v1(32.58,39.09) 32.18,39.5 32.18,39.5
  Top w0.102: v1(25.77,34.38) 25.69,34.3 C209.2 ; v1(24.88,38.14) 25.22,37.8 25.59,37.8
  Top w0.2: C217.2 25.29,37.5 25.59,37.8 ; U3.A1 19.86,13.68 20.06,13.48 20.12,13.48
  Top w0.3: C212.2 30.41,30.32 30.22,30.5 29.18,30.5
  Top w0.6: 20.06,13.48 20.06,12.71 v1(20.25,12.52) ; 20.12,13.48 20.6,13 v1(20.6,12.94)
  Bottom w0.1: C213.2 30.86,42.29 C214.2 ; C211.2 29.8,43.84 29.8,42.69 C214.2 ; C214.2 v1(30.2,41.49)
